# Altium PCB FINAL_PCB_VER0.PcbDoc (part 1 of 4) (continued)
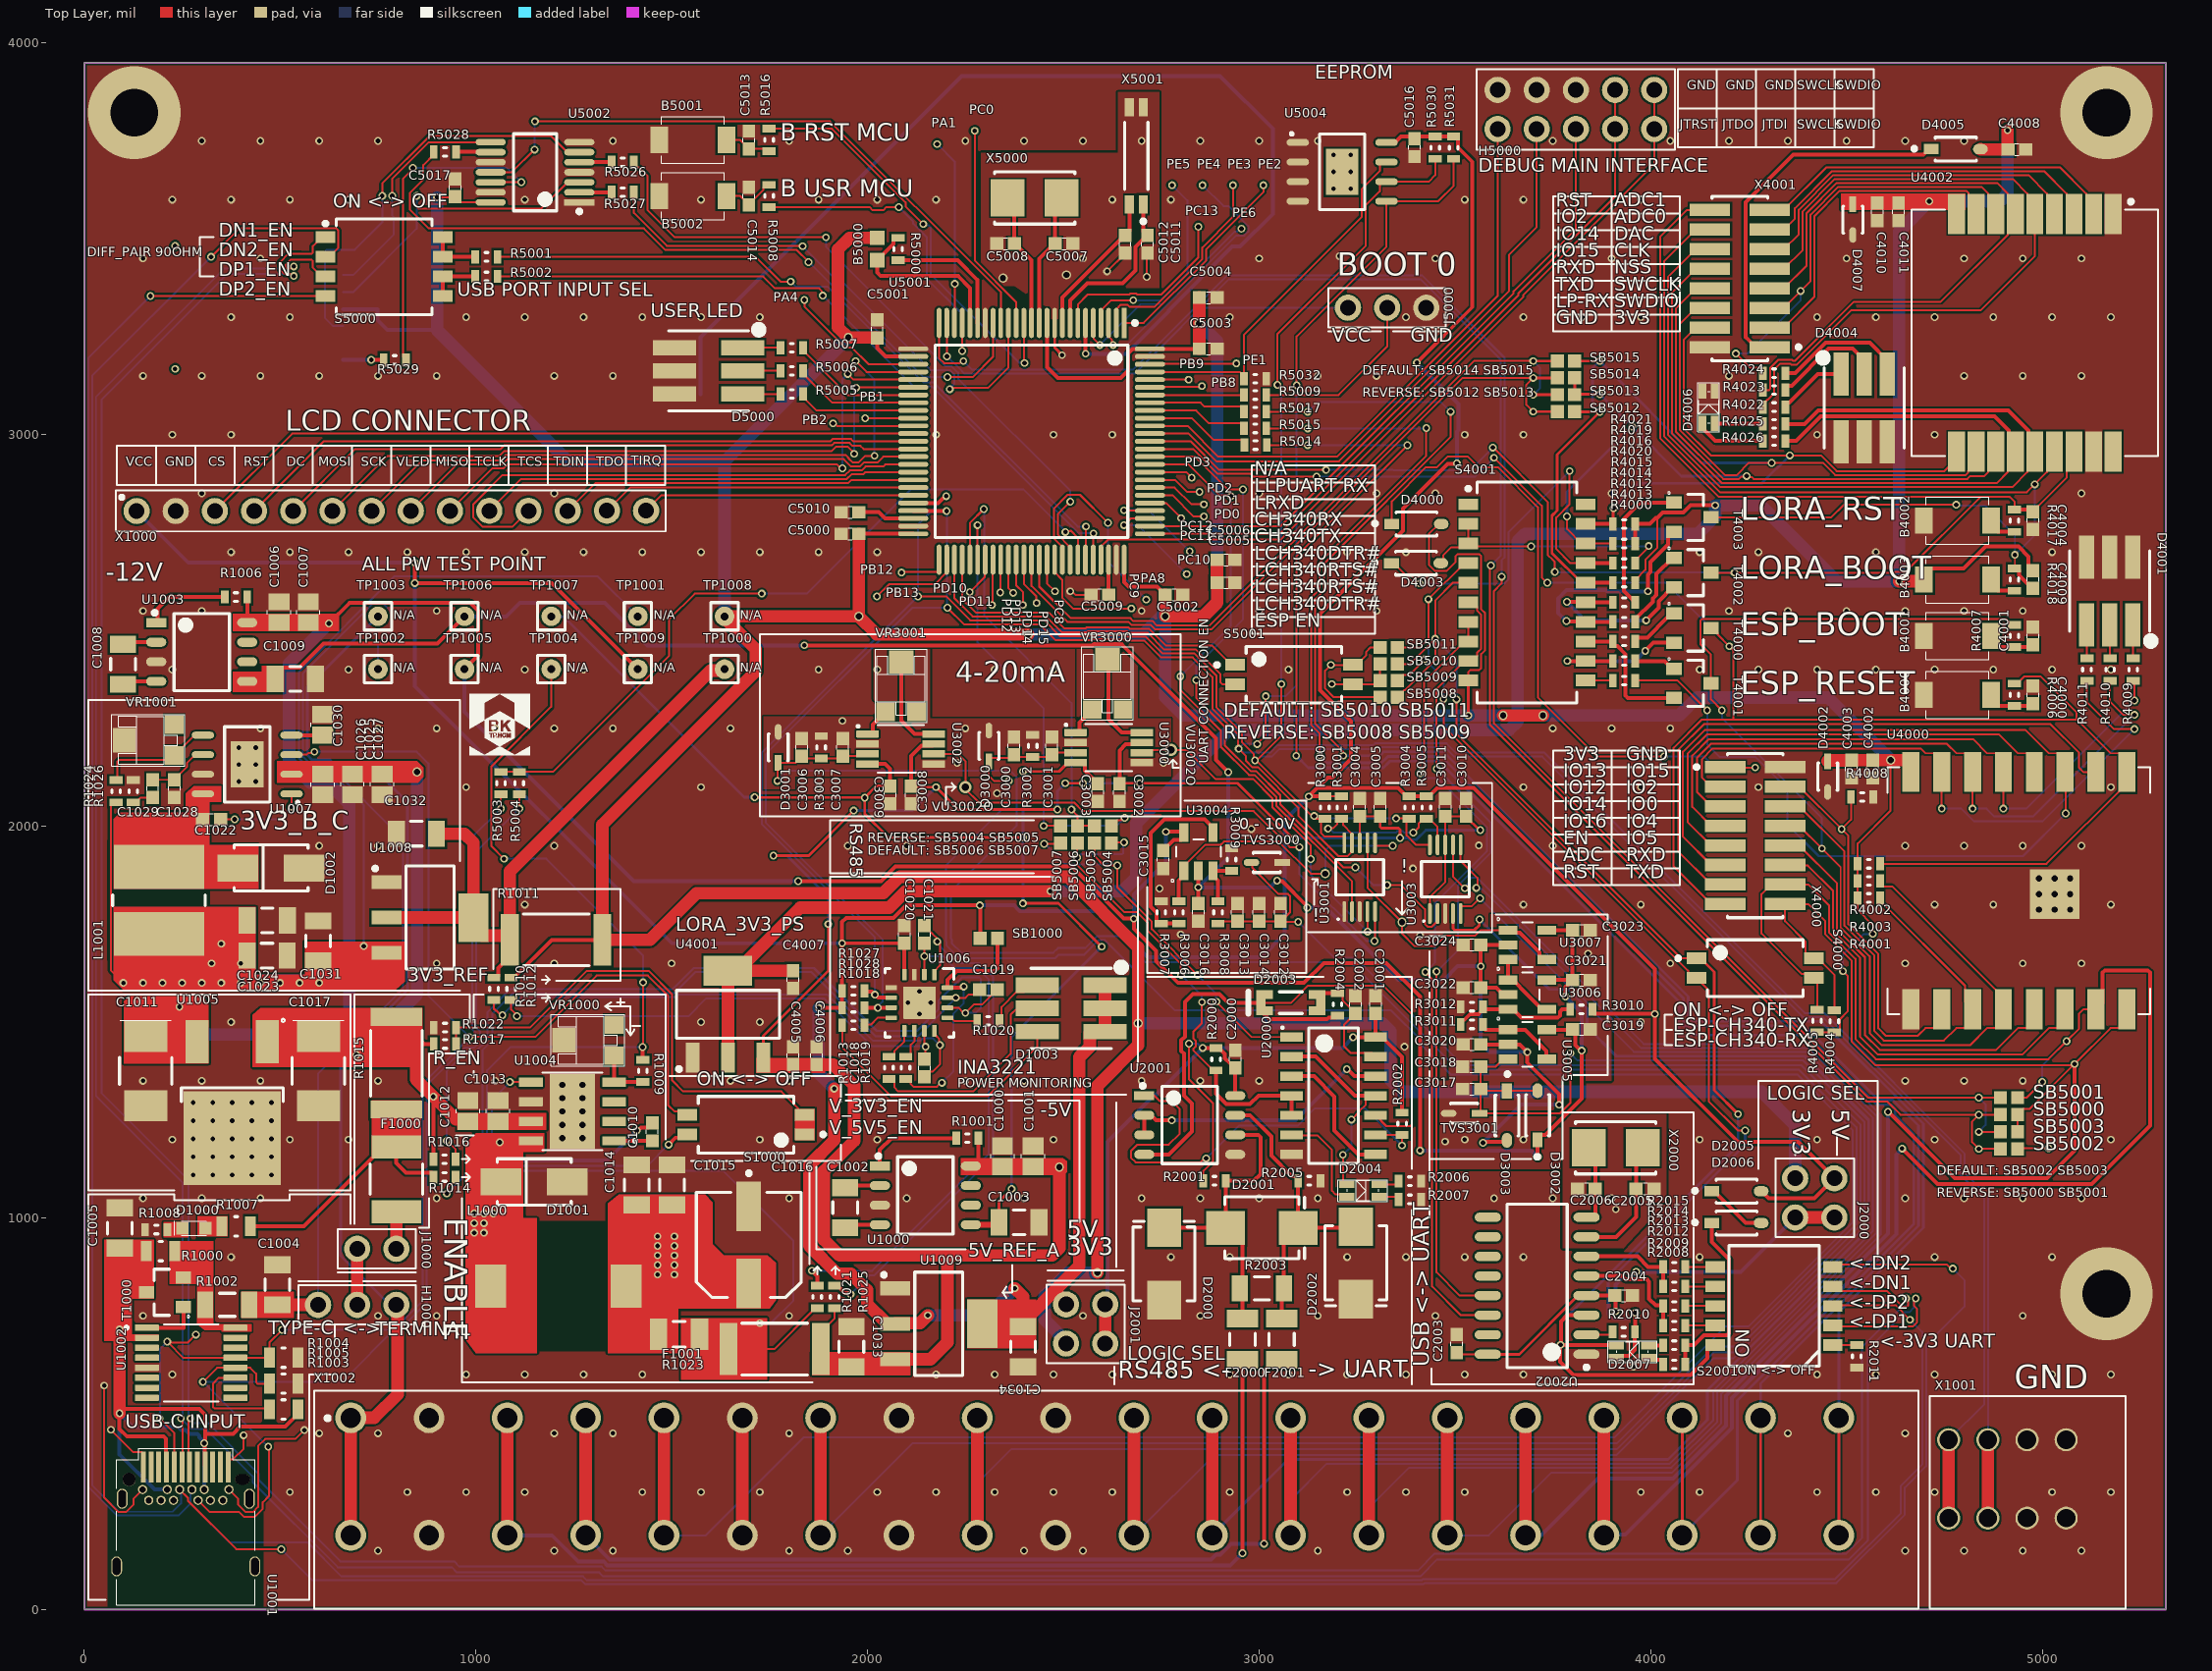
[diagram p0: Top Layer view]
## Components (designator, comment, footprint, x,y, rotation, side; value= is the part's Value field where it differs from the comment)
B4000 "TACTILE 3X4MM" "TACTILE 3X4MM" 4783.62,2335.7 r0 top value=N/A
B4001 "TACTILE 3X4MM" "TACTILE 3X4MM" 4783.62,2485.97 r180 top value=N/A
B4002 "TACTILE 3X4MM" "TACTILE 3X4MM" 4783.62,2780.27 r180 top value=N/A
B4003 "TACTILE 3X4MM" "TACTILE 3X4MM" 4783.62,2630 r180 top value=N/A
B5000 "FERRITE BEAD 600 OHM" "FERRITE BEAD 0603" 2025,3474 r270 top value="600 OHM"
B5001 "RESET BUTTON" "TACTILE 3X4MM" 1554.27,3752.5 r180 top value=N/A
B5002 "USER BUTTON" "TACTILE 3X4MM" 1554.27,3609.5 r180 top value=N/A
C1000 "4.7uF" "CAP CER 0805" 2344.79,1157.41 r90 top
C1001 "4.7uF" "CAP CER 0805" 2423,1157.41 r90 top
C1002 "47uF" "CAP CER 1206" 1943,1026.04 r270 top
C1003 "47uF" "CAP CER 1206" 2387,988.52 r0 top
C1004 "10uF" "CAP CER 1206" 493,829.21 r90 top
C1005 "1uF" "CAP CER 1206" 91,974 r90 top
C1006 "4.7uF" "CAP CER 0805" 497.31,2546.63 r90 top
C1007 "4.7uF" "CAP CER 0805" 572.2,2546.63 r90 top
C1008 "47uF" "CAP CER 1206" 99,2413.63 r270 top
C1009 "47uF" "CAP CER 1206" 539,2376.1 r0 top
C1010 "10nF" "CAP CER 0603" 1450.65,1219.47 r270 top
C1011 "10uF" "CAP TAN 2312" 157,1375 r90 top
C1012 "4.7uF" "CAP CER 0805" 979.65,1272.9 r90 top
C1013 "4.7uF" "CAP CER 0805" 1056.65,1272.9 r90 top
C1014 "47uF" "CAP CER 1206" 1411,1084 r90 top
C1015 "47uF" "CAP CER 1206" 1501,1084 r90 top
C1016 "220uF" "CAP ALUM 6377" 1697,931 r270 top
C1017 "10uF" "CAP TAN 2312" 598,1375 r90 top
C1018 "100nF" "CAP CER 0603" 2145.37,1383.31 r90 top
C1019 "100nF" "CAP CER 0603" 2308.48,1583.07 r0 top
C1020 "100nF" "CAP CER 0603" 2094.19,1723.99 r90 top
C1021 "100nF" "CAP CER 0603" 2145.37,1724 r90 top
C1022 "100nF" "CAP CER 0603" 325.13,2017.74 r0 top
C1023 "47uF" "CAP CER 1206" 467.17,1669.74 r0 top
C1024 "47uF" "CAP CER 1206" 467.34,1759.63 r0 top
C1025 "10nF" "CAP CER 0805" 685,2107 r270 top
C1026 "4.7uF" "CAP CER 0805" 609.21,2106.6 r270 top
C1027 "4.7uF" "CAP CER 0805" 761,2107 r270 top
C1028 "47pF" "CAP CER 0603" 230.13,2095.97 r270 top
C1029 "1nF" "CAP CER 0603" 174.82,2095.97 r270 top
C1030 "10nF" "CAP CER 0805" 609.21,2258.89 r90 top
C1031 "100nF" "CAP CER 1206" 597,1707.27 r90 top
C1032 "10uF" "CAP CER 1206" 848,1981 r180 top
C1033 "100nF" "CAP CER 1206" 1959,671 r90 top
C1034 "10uF" "CAP CER 1206" 2397,671 r270 top
C2000 "100nF" "CAP CER 0603" 2939.14,1405 r90 top
C2001 "100nF" "CAP CER 0603" 3297.38,1545 r90 top
C2002 "33pF" "CAP CER 0603" 3246,1545 r90 top
C2003 "100nF" "CAP CER 0603" 3505,679 r270 top
C2004 "100nF" "CAP CER 0603" 3931.15,801.61 r0 top
C2005 "22pF" "CAP CER 0603" 3985.56,1074 r0 top
C2006 "22pF" "CAP CER 0603" 3836,1074 r180 top
C3000 "0.47uF" "CAP CER 0603" 2374,2205.15 r90 top
C3001 "0.47uF" "CAP CER 0603" 2471,2205.15 r90 top
C3002 "100nF" "CAP CER 0603" 2643.86,2086 r270 top
C3003 "100nF" "CAP CER 0603" 2587.86,2086 r270 top
C3004 "100nF" "CAP CER 0603" 3257,2048 r90 top
C3005 "100nF" "CAP CER 0603" 3309,2048 r90 top
C3006 "0.47uF" "CAP CER 0603" 1832,2201.59 r90 top
C3007 "0.47uF" "CAP CER 0603" 1937,2201.59 r90 top
C3008 "100nF" "CAP CER 0603" 2111.64,2080 r270 top
C3009 "100nF" "CAP CER 0603" 2057.64,2080 r270 top
C3010 "100nF" "CAP CER 0603" 3528.38,2048 r90 top
C3011 "100nF" "CAP CER 0603" 3475.38,2048 r90 top
C3012 "4.7nF" "CAP CER 0603" 3055,1780 r270 top
C3013 "22nF" "CAP CER 0603" 2945,1780 r270 top
C3014 "100nF" "CAP CER 0603" 3000,1780 r90 top
C3015 "100nF" "CAP CER 0603" 2755,1915 r270 top
C3016 "100nF" "CAP CER 0603" 2845,1780 r270 top
C3017 "4.7nF" "CAP CER 0603" 3543,1329 r180 top
C3018 "22nF" "CAP CER 0603" 3543,1386 r180 top
C3019 "100nF" "CAP CER 0603" 3823,1481.4 r0 top
C3020 "100nF" "CAP CER 0603" 3543.29,1443 r180 top
C3021 "100nF" "CAP CER 0603" 3823,1607.4 r0 top
C3022 "100nF" "CAP CER 0603" 3543.29,1588 r180 top
C3023 "100nF" "CAP CER 0603" 3823,1734.4 r0 top
C3024 "100nF" "CAP CER 0603" 3543.29,1697 r180 top
C4000 "100nF" "CAP CER 0603" 4976,2335.7 r270 top
C4001 "100nF" "CAP CER 0603" 4976,2485.97 r90 top
C4002 "10uF" "CAP CER 0603" 4566.92,2146.4 r270 top
C4003 "100nF" "CAP CER 0603" 4512.92,2146.4 r270 top
C4004 "100nF" "CAP CER 0603" 4976,2780.27 r270 top
C4005 "10uF" "CAP CER 0603" 1810,1413.88 r90 top
C4006 "100nF" "CAP CER 0603" 1870,1413.88 r90 top
C4007 "10uF" "CAP CER 0603" 1810,1608.5 r270 top
C4008 "100nF" "CAP CER 0603" 4935,3728 r0 top
C4009 "100nF" "CAP CER 0603" 4976,2630 r90 top
C4010 "10uF" "CAP CER 0603" 4578.44,3568.82 r270 top
C4011 "100nF" "CAP CER 0603" 4633,3568.82 r270 top
C5000 "100nF" "CAP CER 0603" 1955,2746.78 r180 top
C5001 "100nF" "CAP CER 0603" 2025,3270 r90 top
C5002 "100nF" "CAP CER 0603" 2783,2591 r0 top
C5003 "100nF" "CAP CER 0603" 2870,3219.22 r0 top
C5004 "100nF" "CAP CER 0603" 2870,3350 r0 top
C5005 "100nF" "CAP CER 0603" 2915.43,2622 r0 top
C5006 "100nF" "CAP CER 0603" 2915.43,2680 r0 top
C5007 "1.5pF" "CAP CER 0603" 2501.56,3488 r0 top
C5008 "1.5pF" "CAP CER 0603" 2352.44,3488 r180 top
C5009 "2.2uF" "CAP CER 0603" 2593.13,2591 r180 top
C5010 "2.2uF" "CAP CER 0603" 1955,2802 r180 top
C5011 "3.9pF" "CAP CER 0603" 2715,3486 r270 top
C5012 "3.9pF" "CAP CER 0603" 2658,3486 r270 top
C5013 "100nF" "CAP CER 0603" 1697,3752.51 r90 top
C5014 "100nF" "CAP CER 0603" 1697,3609.5 r90 top
C5015 "100nF" "CAP CER 0603" 772,3319 r0 bottom
C5016 "100nF" "CAP CER 0603" 3397,3732.77 r270 top
C5017 "100nF" "CAP CER 0603" 947,3630 r90 top
D1000 "LED RED" "LED RED 0603" 280,973.64 r180 top value=N/A
D1001 "SS14 - 40V/1A" DO-214AC 1149,1092 r180 top value=1A
D1002 "SS14 - 40V/1A" DO-214AC 477.13,1893.48 r180 top value=1A
D1003 "LED RGB 5050" "LED RGB 5050" 2520,1535 r180 top value="5 x 5 x 1.5mm"
D2000 "SMBJ36CA" DO-214AA 2757.18,882.17 r90 top value="36V 58.1V"
D2001 "SMBJ36CA" DO-214AA 3007.18,974.68 r0 top value="36V 58.1V"
D2002 "SMBJ36CA" DO-214AA 3247.18,885 r270 top value="36V 58.1V"
D2003 "LL4148" SOD-80 3081,1549.5 r180 top value=100V/0.2A
D2004 "LED R/B 0805" "LED RB 0805" 3265,1070 r180 top value=0805
D2005 "1N4148W-E3-18" SOD-123 4218.99,1068 r0 top value="75V 150mA"
D2006 "1N4148W-E3-18" SOD-123 4218.99,987 r0 top value="75V 150mA"
D2007 "LED R/B 0805" "LED RB 0805" 3953.66,658.25 r0 top value=0805
D3000 "PSD12C" SOD-323 2310,2205.15 r90 top value="50 pF, 29.5V"
D3001 "PSD12C" SOD-323 1772,2201.59 r90 top value="50 pF, 29.5V"
D3002 "1N4148W-E3-18" SOD-123 3711,1262 r90 top value="75V 150mA"
D3003 "1N4148W-E3-18" SOD-123 3633,1261 r270 top value="75V 150mA"
D4000 "1N4148W-E3-18" SOD-123 3402,2772 r0 top value="75V 150mA"
D4001 "LED RGB 5050" "LED RGB 5050" 5172,2601 r90 top value="5 x 5 x 1.5mm"
D4002 "PSD12C" SOD-323 4451.92,2126.8 r270 top value="50 pF, 29.5V"
D4003 "1N4148W-E3-18" SOD-123 3401.01,2672 r0 top value="75V 150mA"
D4004 "LED RGB 5050" "LED RGB 5050" 4545,3068 r270 top value="5 x 5 x 1.5mm"
D4005 "1N4148W-E3-18" SOD-123 4779,3729 r0 top value="75V 150mA"
D4006 "LED R/B 0805" "LED RB 0805" 4148,3070 r270 top value=0805
D4007 "PSD12C" SOD-323 4516,3549.21 r270 top value="50 pF, 29.5V"
D5000 "LED RGB 5050" "LED RGB 5050" 1594.41,3162.91 r180 top value="5 x 5 x 1.5mm"
F1000 "MF-MSMF250/16V/2.5A" "FUSE 1812" 797,1098.68 r90 top value=16V/2.5A
F1001 "MF-NSMF200-2 6V/2A" "FUSE 1206" 1519,703 r0 top value=6V/2A
F2000 "MF-NSMF200-2 6V/2A" "FUSE 1206" 2957.5,690 r90 top value=6V/2A
F2001 "MF-NSMF200-2 6V/2A" "FUSE 1206" 3057.5,690 r90 top value=6V/2A
H1000 "3PIN JUMPER" "JUMPER 3" 697,778 r0 top value=N/A
H5000 "HEADER 5X2" "HEADER 5X2" 3809,3830.31 r180 top value=N/A
J1000 "JUMPER 2" "JUMPER 2" 747,921 r180 top value=N/A
J2000 "2X2" "JUMPER 2X2" 4469,1051.11 r90 top value=N/A
J2001 "2X2" "JUMPER 2X2" 2557,779 r180 top value=N/A
J5000 "JUMPER 3" "JUMPER 3" 3327,3324 r180 top value=N/A
L1000 "8D43-220 22uH 3.25A" "INDUCTOR 8347" 1211,826 r0 top value="22uH 3.25A"
L1001 "5D28 5832-6R8 6.8uH 1.7A" "INDUCTOR 5832" 190.74,1810.74 r270 top value=6.8uH
PA1 "VIA" VIA 2178,3742 r90 top value=N/A
PA4 "VIA" VIA 1839,3344 r90 top value=N/A
PA8 "VIA" VIA 2712,2579 r90 top value=N/A
PB1 "VIA" VIA 1994,3042 r90 top value=N/A
PB2 "VIA" VIA 1912,3029 r90 top value=N/A
PB8 "VIA" VIA 2854,3124 r0 top value=N/A
PB9 "VIA" VIA 2820,3140.48 r0 top value=N/A
PB12 "VIA" VIA 2087,2648 r90 top value=N/A
PB13 "VIA" VIA 2024,2587 r90 top value=N/A
PC0 "VIA" VIA 2274,3776 r90 top value=N/A
PC8 "VIA" VIA 2479,2600 r90 top value=N/A
PC9 "VIA" VIA 2674,2556 r90 top value=N/A
PC10 "VIA" VIA 2815,2644 r90 top value=N/A
PC11 "VIA" VIA 2823,2702 r90 top value=N/A
PC12 "VIA" VIA 2801,2787 r90 top value=N/A
PC13 "VIA" VIA 2845,3531 r90 top value=N/A
PD0 "VIA" VIA 2859,2791 r90 top value=N/A
PD1 "VIA" VIA 2859,2822 r90 top value=N/A
PD2 "VIA" VIA 2848,2854 r90 top value=N/A
PD3 "VIA" VIA 2828,2890 r90 top value=N/A
PD10 "VIA" VIA 2261,2598 r90 top value=N/A
PD11 "VIA" VIA 2318,2565 r90 top value=N/A
PD12 "VIA" VIA 2339,2597 r90 top value=N/A
PD13 "VIA" VIA 2372,2596 r90 top value=N/A
PD14 "VIA" VIA 2397,2565 r90 top value=N/A
PD15 "VIA" VIA 2432,2570 r90 top value=N/A
PE1 "VIA" VIA 2942,3182 r90 top value=N/A
PE2 "VIA" VIA 3011,3637 r90 top value=N/A
PE3 "VIA" VIA 2933.33,3637 r90 top value=N/A
PE4 "VIA" VIA 2855.67,3637 r90 top value=N/A
PE5 "VIA" VIA 2778,3637 r90 top value=N/A
PE6 "VIA" VIA 2955,3526 r90 top value=N/A
R1000 "0R" "RESC 0805(2012) SMD" 195.17,915 r0 top
R1001 "0R" "RESC 0603(1608) SMD" 2255,1203.41 r0 top
R1002 "100R" "RESC 1206(3116) SMD" 365,778 r0 top
R1003 "100KR" "RESC 0805(2012) SMD" 509,511 r0 top
R1004 "5.1KR" "RESC 0805(2012) SMD" 509,642.8 r180 top
R1005 "5.1KR" "RESC 0805(2012) SMD" 509,576.9 r180 top
R1006 "0R" "RESC 0603(1608) SMD" 387.54,2585.63 r0 top
R1007 "0R" "RESC 0805(2012) SMD" 388,978.56 r180 top
R1008 "680R" "RESC 0603(1608) SMD" 183.99,970 r180 top
R1009 "10.2KR" "RESC 0603(1608) SMD" 1426.65,1375.3 r270 top
R1010 "2.2R" "RESC 0603(1608) SMD" 1046,1585 r90 top
R1011 "0.1R" "RESC 2512 SMD" 1205,1710 r180 top
R1012 "2.2R" "RESC 0603(1608) SMD" 1090,1585 r90 top
R1013 "10KR" "RESC 0603(1608) SMD" 2097.58,1383.31 r270 top
R1014 "2.2R" "RESC 0603(1608) SMD" 920,1104 r180 top
R1015 "0.1R" "RESC 2512 SMD" 797,1395 r270 top
R1016 "2.2R" "RESC 0603(1608) SMD" 920,1150 r180 top
R1017 "47KR" "RESC 0603(1608) SMD" 921,1444 r180 top
R1018 "680R" "RESC 0603(1608) SMD" 1964,1492 r180 top
R1019 "680R" "RESC 0603(1608) SMD" 2055,1383.31 r270 top
R1020 "680R" "RESC 0603(1608) SMD" 2308.48,1503 r0 top
R1021 "2.2R" "RESC 0603(1608) SMD" 1872,798 r270 top
R1022 "10KR" "RESC 0603(1608) SMD" 921,1486 r0 top
R1023 "0.1R" "RESC 2512 SMD" 1763,665 r180 top
R1024 "10.2KR" "RESC 0603(1608) SMD" 81.13,2089.47 r90 top
R1025 "2.2R" "RESC 0603(1608) SMD" 1916,798 r270 top
R1026 "29.4KR" "RESC 0603(1608) SMD" 125.13,2089.47 r270 top
R1027 "10KR" "RESC 0603(1608) SMD" 1963.83,1579.63 r0 top
R1028 "10KR" "RESC 0603(1608) SMD" 1963.83,1536.63 r0 top
R2000 "4.7KR" "RESC 0603(1608) SMD" 2890,1405 r90 top
R2001 "4.7KR" "RESC 0603(1608) SMD" 2886.12,1095 r180 top
R2002 "4.7KR" "RESC 0603(1608) SMD" 3365,1240.39 r90 top
R2003 "120R" "RESC 1206(3116) SMD" 3007.18,820 r180 top
R2004 "22KR" "RESC 0603(1608) SMD" 3200,1545 r90 top
R2005 "4.7KR" "RESC 0603(1608) SMD" 3128.25,1095 r180 top
R2006 "2.2KR" "RESC 0603(1608) SMD" 3385,1093.92 r180 top
R2007 "2.2KR" "RESC 0603(1608) SMD" 3385,1047.36 r180 top
R2008 "1KR" "RESC 0603(1608) SMD" 4060,626 r0 top
R2009 "1KR" "RESC 0603(1608) SMD" 4060,675 r0 top
R2010 "1KR" "RESC 0603(1608) SMD" 3931.15,709 r180 top
R2011 "10KR" "RESC 0603(1608) SMD" 4526,646.46 r90 top
R2012 "47R" "RESC 0603(1608) SMD" 4060,725 r180 top
R2013 "47R" "RESC 0603(1608) SMD" 4060,775 r180 top
R2014 "47R" "RESC 0603(1608) SMD" 4060,825 r180 top
R2015 "47R" "RESC 0603(1608) SMD" 4060,875 r180 top
R3000 "10KR" "RESC 0603(1608) SMD" 3168,2048 r90 top
R3001 "10KR" "RESC 0603(1608) SMD" 3210,2048 r90 top
R3002 "1R" "RESC 0603(1608) SMD" 2422,2205.15 r90 top
R3003 "1R" "RESC 0603(1608) SMD" 1882,2201.59 r90 top
R3004 "10KR" "RESC 0603(1608) SMD" 3383.38,2048 r90 top
R3005 "10KR" "RESC 0603(1608) SMD" 3427.38,2048 r90 top
R3006 "100KR" "RESC 0603(1608) SMD" 2795,1780 r90 top
R3007 "200KR" "RESC 0603(1608) SMD" 2750,1780 r270 top
R3008 "200KR" "RESC 0603(1608) SMD" 2895,1780 r90 top
R3009 "100KR" "RESC 0603(1608) SMD" 2930,1915 r270 top
R3010 "100KR" "RESC 0603(1608) SMD" 3823,1532.6 r180 top
R3011 "200KR" "RESC 0603(1608) SMD" 3543.29,1494 r180 top
R3012 "200KR" "RESC 0603(1608) SMD" 3543.29,1539 r0 top
R4000 "4.7KR" "RESC 0603(1608) SMD" 3932,2372 r180 top
R4001 "10KR" "RESC 0603(1608) SMD" 4557,1817 r180 top
R4002 "10KR" "RESC 0603(1608) SMD" 4557,1904 r180 top
R4003 "10KR" "RESC 0603(1608) SMD" 4557,1860.5 r180 top
R4004 "4.7KR" "RESC 0603(1608) SMD" 4469,1502 r270 top
R4005 "4.7KR" "RESC 0603(1608) SMD" 4425,1503 r270 top
R4006 "22R" "RESC 0603(1608) SMD" 4929,2335.7 r90 top
R4007 "22R" "RESC 0603(1608) SMD" 4929,2485.97 r270 top
R4008 "10KR" "RESC 0603(1608) SMD" 4540,2075 r180 top
R4009 "470R" "RESC 0603(1608) SMD" 5232.06,2399.98 r270 top
R4010 "470R" "RESC 0603(1608) SMD" 5173,2399.98 r270 top
R4011 "470R" "RESC 0603(1608) SMD" 5113.94,2399.98 r270 top
R4012 "10KR" "RESC 0603(1608) SMD" 3932,2472 r0 top
R4013 "10KR" "RESC 0603(1608) SMD" 3932,2422 r0 top
R4014 "10KR" "RESC 0603(1608) SMD" 3932,2522 r0 top
R4015 "10KR" "RESC 0603(1608) SMD" 3932,2572 r0 top
R4016 "0R" "RESC 0603(1608) SMD" 3932,2672 r0 top
R4017 "22R" "RESC 0603(1608) SMD" 4929,2780.27 r270 top
R4018 "22R" "RESC 0603(1608) SMD" 4929,2630 r270 top
R4019 "4.7KR" "RESC 0603(1608) SMD" 3932,2722 r0 top
R4020 "4.7KR" "RESC 0603(1608) SMD" 3932,2622 r0 top
R4021 "4.7KR" "RESC 0603(1608) SMD" 3932,2772 r0 top
R4022 "470R" "RESC 0603(1608) SMD" 4315,3070.5 r180 top
R4023 "470R" "RESC 0603(1608) SMD" 4315,3113.75 r180 top
R4024 "470R" "RESC 0603(1608) SMD" 4315,3157 r180 top
R4025 "470R" "RESC 0603(1608) SMD" 4315,3027.25 r180 top
R4026 "470R" "RESC 0603(1608) SMD" 4315,2984 r180 top
R5000 "0R" "RESC 0603(1608) SMD" 2078,3474 r270 top
R5001 "20R" "RESC 0603(1608) SMD" 1027,3454 r0 top
R5002 "20R" "RESC 0603(1608) SMD" 1027,3404 r0 top
R5003 "0R" "RESC 0603(1608) SMD" 1064,2110.25 r270 top
R5004 "0R" "RESC 0603(1608) SMD" 1111,2110.25 r270 top
R5005 "680R" "RESC 0603(1608) SMD" 1806.85,3103.85 r180 top
R5006 "680R" "RESC 0603(1608) SMD" 1806.85,3162.91 r0 top
R5007 "680R" "RESC 0603(1608) SMD" 1806.85,3221.96 r0 top
R5008 "20R" "RESC 0603(1608) SMD" 1749,3609.5 r90 top
R5009 "4.7KR" "RESC 0603(1608) SMD" 2990,3101.11 r180 top
R5014 "20R" "RESC 0603(1608) SMD" 2991,2973.24 r0 top
R5015 "20R" "RESC 0603(1608) SMD" 2990,3015.87 r0 top
R5016 "4.7KR" "RESC 0603(1608) SMD" 1749,3752.51 r90 top
R5017 "20R" "RESC 0603(1608) SMD" 2990,3058.49 r0 top
R5026 "3.3KR" "RESC 0603(1608) SMD" 1375.06,3619.05 r180 top
R5027 "3.3KR" "RESC 0603(1608) SMD" 1375.06,3695.83 r180 top
R5028 "3.3KR" "RESC 0603(1608) SMD" 921,3722 r0 top
R5029 "3.3KR" "RESC 0603(1608) SMD" 793,3190.82 r0 top
R5030 "4.7KR" "RESC 0603(1608) SMD" 3450,3732.77 r270 top
R5031 "4.7KR" "RESC 0603(1608) SMD" 3496.7,3732.77 r270 top
R5032 "4.7KR" "RESC 0603(1608) SMD" 2990,3143 r0 top
S1000 "DIP-2" "DIP-2 SWITCH" 1690,1238 r180 top value=N/A
S2001 "DIP-5" "DIP-5 SWITCH" 4315,775 r90 top value=N/A
S4000 "DIP-2" "DIP-2 SWITCH" 4266.87,1637.7 r0 top value=N/A
S4001 "DIP-10" "DIP-10 SWITCH" 3684,2597 r270 top value=N/A
S5000 "DIP-4" "DIP-4 SWITCH" 766,3429 r270 top value=N/A
S5001 "DIP-2" "DIP-2 SWITCH" 3089.14,2387.15 r0 top value=N/A
SB1000 "SB" SB 2310,1714 r180 top value=0R
SB5000 "SB" SB 4915,1263.36 r180 top value=0R
SB5001 "SB" SB 4915,1307 r180 top value=0R
SB5002 "SB" SB 4915,1176.09 r180 top value=0R
SB5003 "SB" SB 4915,1219.73 r180 top value=0R
SB5004 "SB" SB 2623,1979 r270 top value=0R
SB5005 "SB" SB 2579.67,1979 r270 top value=0R
SB5006 "SB" SB 2536.33,1979 r270 top value=0R
SB5007 "SB" SB 2493,1979 r270 top value=0R
SB5008 "SB" SB 3331,2329.66 r180 top value=0R
SB5009 "SB" SB 3331,2372 r180 top value=0R
SB5010 "SB" SB 3331,2414.33 r180 top value=0R
SB5011 "SB" SB 3331,2456.66 r180 top value=0R
SB5012 "SB" SB 3784,3059 r180 top value=0R
SB5013 "SB" SB 3784,3102 r180 top value=0R
SB5014 "SB" SB 3784,3145 r180 top value=0R
SB5015 "SB" SB 3784,3188 r180 top value=0R
T1000 "LN2302LT1G" SOT23-3 206,810 r180 top value=20V-2.8A-N
T4000 "BJT N-MODE" SOT23-3 4106.76,2506.33 r0 top value=N/A
T4001 "BJT N-MODE" SOT23-3 4106.76,2365 r0 top value=N/A
T4002 "BJT N-MODE" SOT23-3 4106.76,2647.67 r0 top value=N/A
T4003 "BJT N-MODE" SOT23-3 4106.76,2789 r0 top value=N/A
TP1000 "N/A" "TEST POINT" 1635,2401.05 r0 top
TP1001 "N/A" "TEST POINT" 1413.75,2536.05 r0 top
TP1002 "N/A" "TEST POINT" 750,2401.05 r0 top
TP1003 "N/A" "TEST POINT" 750,2536.05 r0 top
TP1004 "N/A" "TEST POINT" 1192.5,2401.05 r0 top
TP1005 "N/A" "TEST POINT" 971.25,2401.05 r0 top
TP1006 "N/A" "TEST POINT" 971.25,2536.05 r0 top
TP1007 "N/A" "TEST POINT" 1192.5,2536.05 r0 top
TP1008 "N/A" "TEST POINT" 1635,2536.05 r0 top
TP1009 "N/A" "TEST POINT" 1413.75,2401.05 r0 top
TVS3000 "PSD12C" SOD-323 3020,1907.48 r180 top value="50 pF, 29.5V"
TVS3001 "PSD12C" SOD-323 3523.4,1267 r180 top value="50 pF, 29.5V"
U1000 "ICL7662CBA" SOP-8 2147.86,1057.41 r0 top
U1001 "3.1-C" "USB TYPE C FEMALE" 259.31,109.95 r0 top value=N/A
U1002 "IP2721" TSSOP-16 273,630 r0 top
U1003 "ICL7662CBA" SOP-8 300,2445 r0 top
U1004 "TPS5430DDA" "SO POWERPAD" 1246.65,1271.76 r180 top
U1005 "LD1086DT12" DPAK 378,1294.39 r180 top
U1006 "INA3221" VQFN-16 2132.58,1549.42 r270 top
U1007 "TPS54331DR" SOIC-8 416.13,2157.74 r180 top
U1008 "LD1117S33CTR" SOT-223 883,1767 r270 top
U1009 "AMS1117-5.0V" SOT-223 2182,729.45 r270 top
U2000 "74HC14D" SOIC-14 3190.1,1311.85 r0 top
U2001 "MAX3485" SOP-8 2823,1237 r0 top
U2002 "CH340G" SOP-16 3710,826.61 r180 top
U3000 "INA333AIDR" VSSOP-8 2616,2201 r0 top
U3001 "ADS1115" VSSOP-10 3257,1870 r90 top
U3002 "INA333AIDR" VSSOP-8 2085,2197.44 r0 top
U3003 "ADS1115" VSSOP-10 3475.38,1865 r90 top
U3004 "OPA333AIDVR" SOT23-5 2845,1935 r90 top
U3005 "OPA333AIDVR" SOT23-5 3685,1443 r0 top
U3006 "OPA333AIDVR" SOT23-5 3685,1570 r0 top
U3007 "OPA333AIDVR" SOT23-5 3685,1697 r0 top
U4000 "ESP-07S" ESP-07S 4940.03,1835.55 r270 top
U4001 "LD1117S33CTR" SOT-223 1643.75,1520 r0 top
U4002 "RA-08H" RA-08H 4981,3260 r270 top
U5000 "BS-6" BS-6 1574,2540.99 r270 bottom value=N/A
U5001 "STM32H743VIT6" LQFP-100-A 2419,2983 r270 top
U5002 "74LVC125APW" TSSOP-14 1151,3670.05 r180 top
U5003 "MiSD-PP-9P-V2" MiSD-PP-9P-V2 232.08,3362.08 r90 bottom value=N/A
U5004 "24LC512" SOIC-8 3212.09,3671 r0 top
VR1000 "10KR" "VARIABLE RESISTOR" 1289.96,1453.76 r90 top
VR1001 "10KR" "VARIABLE RESISTOR" 167.13,2220 r90 top
VR3000 "1KR" "VARIABLE RESISTOR" 2613,2361 r0 top
VR3001 "1KR" "VARIABLE RESISTOR" 2086,2355.13 r0 top
X1000 "240x320 HMI ILI9341" "LCD TFT320X240" 733.67,2804.98 r0 top value=N/A
X1001 "KF141-2.54-4-R" "TERMINAL BLOCK 4 2.54MM" 4910.92,333.5 r0 top value=N/A
X1002 "KF142-5.08-20-R" "TERMINAL BLOCK 20 5.08MM" 2580.47,389.5 r0 top value=N/A
X2000 "CRYSTAL 12MHz" "CRYSTAL 5032 2PIN" 3910.56,1179 r180 top value=12MHz
X4000 "BOARD CONNECTOR 16 1.27MM" "BOARD CONNECTOR 16 1.27MM" 4266.87,1976.17 r270 top value=N/A
X4001 "BOARD CONNECTOR 16 1.27MM" "BOARD CONNECTOR 16 1.27MM" 4227.62,3398.58 r90 top value=N/A
X5000 "CRYSTAL 25MHz 2PIN" "CRYSTAL 5032 2PIN" 2427,3604.68 r180 top value=25MHz
X5001 "32.768KHz CRYSTAL 4PIN 7015" "CRYSTAL 32.768KHZ 7015" 2686.72,3712.02 r90 top value=N/A

## Footprints (in the part's own frame and the unit in brackets; to place one, negate y for a bottom-side part, rotate by r counter-clockwise, add the part's x,y. Pads: shape width x height; smd on the part's side, far side on the other; paste and mask are expansions set on the pad)
"BOARD CONNECTOR 16 1.27MM" [mm]
  rect 0.8x2.62 smd paste+0 mask+0: 1(-4.445,-1.94) 2(-4.445,1.94) 3(-3.175,-1.94) 4(-3.175,1.94) 5(-1.905,-1.94) 6(-1.905,1.94) 7(-0.635,-1.94) 8(-0.635,1.94) 9(0.635,-1.94) 10(0.635,1.94) 11(1.905,-1.94) 12(1.905,1.94) 13(3.175,-1.94) 14(3.175,1.94) 15(4.445,-1.94) 16(4.445,1.94)
  silkscreen extent -5.33,-3.93 5.33,1.8, body extent -5.43,-3.35 5.43,3.35, height 0.25
BS-6 [mm]
  rect 4.2x4.2 smd paste+0: 1(14.275,0) 2(-14.275,0)
  silkscreen extent -17.6,-8.25 14.55,8.25, body extent -15.93,-8 15.93,8, height 5.7
"CAP ALUM 6377" [mm]
  rect 3.2x1.6 smd paste+0: 1(-2.5,0) 2(2.5,0)
  silkscreen extent -4.77,-3.4 3.4,3.4, body extent -4.35,-3.65 4.35,3.65, height 0.25
"CAP CER 0603" [mil] "cap 0603 smd"
  rect 33.79x31.97 smd paste+0: 1(-22.72,0) 2(22.72,0)
  silkscreen extent -5,-15 5,15, body extent -31,-16 31,16, height 34
"CAP CER 0805" [mm] "cap 0805smd"
  rect 1.1x1.356 smd paste+0 mask+0.05: 1(-0.67,0) 2(0.67,0)
  silkscreen extent -0.13,-0.76 0.13,0.76, body extent -1,-0.63 1,0.63, height 0.94
"CAP CER 1206" [mil]
  rect 43.49x67.17 smd paste+0: 1(-51.21,0) 2(51.21,0)
  silkscreen extent -15,-31 15,31, body extent -77,-39 77,39, height 10
"CAP TAN 2312" [mm]
  rect 2x2.8 smd paste+0: 1(-2.25,0) 2(2.25,0)
  silkscreen extent -0.87,-1.7 3.3,1.7, body extent -3.35,-1.8 3.35,1.8, height 0.25
"CRYSTAL 32.768KHZ 7015" [mm]
  rect 1.2x0.6 smd paste+0 mask+0.05: 1(-3.15,-0.45) 2(3.15,-0.45) 3(3.15,0.45) 4(-3.15,0.45)
  silkscreen extent -4.37,-0.75 2.18,0.75, body extent -3.85,-0.85 3.85,0.85, height 0.25
"CRYSTAL 5032 2PIN" [mm]
  rect 2.2x2.4 smd paste+0: 1(-1.75,0) 2(1.75,0)
  silkscreen extent -2.6,-1.7 2.6,1.7, body extent -3.1,-1.8 3.1,1.8, height 0.25
"DIP-2 SWITCH" [mm]
  rect 1.27x0.76 smd paste+0 mask+0: 1(-3.81,0.635) 2(-3.81,-0.635) 3(3.81,-0.635) 4(3.81,0.635)
  silkscreen extent -5.13,-1.83 3.1,1.83, body extent -4.54,-1.93 4.54,1.93, height 0.25
"DIP-4 SWITCH" [mm]
  rect 0.76x1.27 smd paste+0: 1(-1.905,-3.81) 2(-0.635,-3.81) 3(0.635,-3.81) 4(1.905,-3.81) 5(1.905,3.81) 6(0.635,3.81) 7(-0.635,3.81) 8(-1.905,3.81)
  silkscreen extent -3.1,-3.93 3.1,3.1, body extent -3.2,-4.54 3.2,4.54, height 0.25
"DIP-5 SWITCH" [mm]
  rect 0.76x1.27 smd: 1(-2.54,-3.81) 2(-1.27,-3.81) 3(0,-3.81) 4(1.27,-3.81) 5(2.54,-3.81) 6(2.54,3.81) 7(1.27,3.81) 8(0,3.81) 9(-1.27,3.81) 10(-2.54,3.81)
  silkscreen extent -3.91,-2.93 3.91,2.93, body extent -3.76,-4.22 3.76,4.22, height 2.65
"DIP-10 SWITCH" [mm]
  rect 0.76x1.27 smd paste+0: 1(-5.715,-3.795) 2(-4.445,-3.795) 3(-3.175,-3.795) 4(-1.905,-3.795) 5(-0.635,-3.795) 6(0.635,-3.795) 7(1.905,-3.795) 8(3.175,-3.795) 9(4.445,-3.795) 10(5.715,-3.795) 11(5.715,3.795) 12(4.445,3.795) 13(3.175,3.795) 14(1.905,3.795) 15(0.635,3.795) 16(-0.635,3.795) 17(-1.905,3.795) 18(-3.175,3.795) 19(-4.445,3.795) 20(-5.715,3.795)
  silkscreen extent -7.17,-3.93 7.17,3.22, body extent -7.26,-4.53 7.26,4.53, height 0.25
DO-214AA [mm] "Molded Diode, 2-Leads, Body 4.40x3.63mm, IPC Medium Density"
  rect 2.5x2.2 smd: 1(-2.35,0) 2(2.35,0)
  silkscreen extent -2.4,-2 2.77,2, body extent -2.6,-1.97 2.6,1.97, height 2.65
DO-214AC [mm] "Molded Diode, 2-Leads, Body 4.38x2.73mm, IPC Medium Density"
  rect 2.65x1.75 smd: 1(-2.15,0) 2(2.15,0)
  silkscreen extent -2.4,-1.5 2.4,1.5, body extent -2.6,-1.48 2.6,1.48, height 2.7
DPAK [mm]
  rect 1.5x2.8 smd: 1(-2.286,-3.95) 3(2.286,-3.95)
  rect 6.3x6.1 smd: 4(0,2.3)
  silkscreen extent -3.4,-5.43 3.3,-0.06, body extent -3.3,-3.77 3.3,5.95, height 2.4
ESP-07S [mm]
  rect 2.6x1.1 smd: 1(-7.7,7) 2(-7.7,5) 3(-7.7,3) 4(-7.7,1) 5(-7.7,-1) 6(-7.7,-3) 7(-7.7,-5) 8(-7.7,-7) 9(7.7,-7) 10(7.7,-5) 11(7.7,-3) 12(7.7,-1) 13(7.7,1) 14(7.7,3) 15(7.7,5) 16(7.7,7)
  round 0.6 hole 0.4: 9(-0.796,3.333) 9(-0.796,2.317) 9(-0.796,1.301) 9(0.22,3.333) 9(0.22,2.317) 9(0.22,1.301) 9(1.236,3.333) 9(1.236,2.317) 9(1.236,1.301)
  rect 3.2x3.2 smd: 9(0.22,2.317)
  silkscreen extent -8,-8.51 8,8.51, body extent -8,-8.51 8,8.49, height 3.28
"FERRITE BEAD 0603" [mm] "Chip FB 0603"
  rect 0.95x0.95 smd: 1(-0.725,0) 2(0.725,0)
  body extent -0.8,-0.4 0.8,0.4, height 0.47
"FUSE 1206" [mil]
  rect 45x80 smd paste+0 mask+0: 1(-52.5,0) 2(52.5,0)
  silkscreen extent -15,-32 15,32, body extent -69,-36 69,36, height 20
"FUSE 1812" [mm]
  rect 1.5x3.2 smd paste+0 mask+0: 1(-2.1,0) 2(2.1,0)
  silkscreen extent -0.97,-1.71 0.98,1.71, body extent -2.95,-1.81 2.95,1.81, height 0.25
"HEADER 5X2" [mm]
  round 1.7 hole 1.02: 1(-5.08,1.27) 2(-5.08,-1.27) 3(-2.54,1.27) 4(-2.54,-1.27) 5(0,1.27) 6(0,-1.27) 7(2.54,1.27) 8(2.54,-1.27) 9(5.08,1.27) 10(5.08,-1.27)
  silkscreen extent -6.43,-2.62 6.43,2.62, body extent -6.35,-2.54 6.35,2.54, height 7
"INDUCTOR 5832" [mm] "Precision Wire Wound Inductor, 2-Leads, Body 5.70x5.70mm, IPC Medium Density"
  rect 2.85x5.85 smd: 1(-2.175,0) 2(2.175,0)
  Multi-Layer pour cut-out: -3.912,3.302 3.886,3.302 3.886,-3.353 -3.912,-3.353
  silkscreen extent -0.35,-3 0.35,3, body extent -2.95,-2.85 2.95,2.85, height 3.1
"INDUCTOR 8347" [mm]
  rect 2x2.8 smd: 1(-4.4,0) 2(4.4,0)
  Multi-Layer pour cut-out: -4.216,4.216 4.216,4.216 4.216,-4.216 -4.216,-4.216
  body extent -4.35,-4.15 4.35,4.15, height 4.7
"JUMPER 2" [mm]
  round 1.7 hole 1.02: 1(-1.27,0) 2(1.27,0)
  silkscreen extent -2.54,-1.27 2.54,1.52, body extent -2.54,-1.27 2.54,1.27, height 7.63
"JUMPER 2X2" [mm]
  round 1.7 hole 1.02: 1(-1.27,2.54) 2(1.27,2.54) 3(-1.27,0) 4(1.27,0)
  silkscreen extent -2.54,-1.27 2.54,3.81, body extent -2.54,-1.27 2.54,3.81, height 7.63
"JUMPER 3" [mm]
  round 1.7 hole 1.02: 1(-2.54,0) 2(0,0) 3(2.54,0)
  silkscreen extent -3.81,-1.27 3.81,1.52, body extent -3.81,-1.27 3.81,1.27, height 7.63
"LCD TFT320X240" [mm]
  round 1.7 hole 1.02: 1(-15.24,0) 2(-12.7,0) 3(-10.16,0) 4(-7.62,0) 5(-5.08,0) 6(-2.53,0.007) 7(0.01,0.007) 8(2.55,0.007) 9(5.09,0.007) 10(7.639,0.015) 11(10.179,0.015) 12(12.719,0.015) 13(15.269,0.022) 14(17.809,0.022)
  silkscreen extent -16.59,-1.32 19.08,1.35, body extent -16.51,-1.27 19.08,1.29, height 7
"LED RB 0805" [mm]
  rect 1x0.5 smd mask+0.05: 1(-1.05,0.4) 2(1.05,0.4) 3(-1.05,-0.4) 4(1.05,-0.4)
  silkscreen extent -1.6,-0.7 1.6,0.7, body extent -1,-0.62 1,0.63, height 1.21
"LED RED 0603" [mm]
  rect 0.8x0.8 smd paste+0 mask+0: 1(-0.75,0) 2(0.75,0)
  silkscreen extent -0.8,-0.46 1.24,0.46, body extent -1.25,-0.5 1.25,0.5, height 0.25
"LED RGB 5050" [mm] "SMT Full-color TOP LED Waterclear, body 5x5mm"
  rect 2.8x1 smd: 1(-2.2,-1.5) 2(2.2,-1.5) 3(-2.2,0) 4(2.2,0) 5(-2.2,1.5) 6(2.2,1.5)
  silkscreen extent -3.51,-2.92 2.6,2.6, body extent -2.5,-2.7 2.5,2.7, height 1.5
LQFP-100-A [mm]
  rect 1.955x0.312 smd paste+0 mask+0: 1(-7.675,6)
  rrect100% 1.955x0.312 smd paste+0 mask+0: 2(-7.675,5.5) 3(-7.675,5) 4(-7.675,4.5) 5(-7.675,4) 6(-7.675,3.5) 7(-7.675,3) 8(-7.675,2.5) 9(-7.675,2) 10(-7.675,1.5) 11(-7.675,1) 12(-7.675,0.5) 13(-7.675,0) 14(-7.675,-0.5) 15(-7.675,-1) 16(-7.675,-1.5) 17(-7.675,-2) 18(-7.675,-2.5) 19(-7.675,-3) 20(-7.675,-3.5) 21(-7.675,-4) 22(-7.675,-4.5) 23(-7.675,-5) 24(-7.675,-5.5) 25(-7.675,-6) 51(7.675,-6) 52(7.675,-5.5) 53(7.675,-5) 54(7.675,-4.5) 55(7.675,-4) 56(7.675,-3.5) 57(7.675,-3) 58(7.675,-2.5) 59(7.675,-2) 60(7.675,-1.5) 61(7.675,-1) 62(7.675,-0.5) 63(7.675,0) 64(7.675,0.5) 65(7.675,1) 66(7.675,1.5) 67(7.675,2) 68(7.675,2.5) 69(7.675,3) 70(7.675,3.5) 71(7.675,4) 72(7.675,4.5) 73(7.675,5) 74(7.675,5.5) 75(7.675,6)
  rrect100% 0.312x1.955 smd paste+0 mask+0: 26(-6,-7.675) 27(-5.5,-7.675) 28(-5,-7.675) 29(-4.5,-7.675) 30(-4,-7.675) 31(-3.5,-7.675) 32(-3,-7.675) 33(-2.5,-7.675) 34(-2,-7.675) 35(-1.5,-7.675) 36(-1,-7.675) 37(-0.5,-7.675) 38(0,-7.675) 39(0.5,-7.675) 40(1,-7.675) 41(1.5,-7.675) 42(2,-7.675) 43(2.5,-7.675) 44(3,-7.675) 45(3.5,-7.675) 46(4,-7.675) 47(4.5,-7.675) 48(5,-7.675) 49(5.5,-7.675) 50(6,-7.675) 76(6,7.675) 77(5.5,7.675) 78(5,7.675) 79(4.5,7.675) 80(4,7.675) 81(3.5,7.675) 82(3,7.675) 83(2.5,7.675) 84(2,7.675) 85(1.5,7.675) 86(1,7.675) 87(0.5,7.675) 88(0,7.675) 89(-0.5,7.675) 90(-1,7.675) 91(-1.5,7.675) 92(-2,7.675) 93(-2.5,7.675) 94(-3,7.675) 95(-3.5,7.675) 96(-4,7.675) 97(-4.5,7.675) 98(-5,7.675) 99(-5.5,7.675) 100(-6,7.675)
  silkscreen extent -7.8,-6.25 6.25,6.84, body extent -9.15,-9.15 9.15,9.15, height 0.25
MiSD-PP-9P-V2 [mm] "SD CARD"
  rect 0.7x2 smd mask+0.05: 1(2.25,10.9) 2(1.15,10.9) 3(0.05,10.9) 4(-1.05,10.9) 5(-2.15,10.9) 6(-3.25,10.9) 7(-4.35,10.9) 8(-5.45,10.9) CD(-6.55,10.9)
  rect 1.2x1.4 smd mask+0.05: G(-7.75,9.7)
  rect 1.2x2.2 smd mask+0.05: G(-7.7,0.5) G(7.7,0.5)
  rect 1.6x1.4 smd mask+0.05: G(6.85,9.7)
  silkscreen extent -8.41,-5.71 8.43,12.07
RA-08H [mm]
  rect 2.6x1.1 smd mask+0.05: 1(-7.7,5.08) 2(-7.7,3.81) 3(-7.7,2.54) 4(-7.7,1.27) 5(-7.7,0) 6(-7.7,-1.27) 7(-7.7,-2.54) 8(-7.7,-3.81) 9(-7.7,-5.08) 10(7.7,-5.08) 11(7.7,-3.81) 12(7.7,-2.54) 13(7.7,-1.27) 14(7.7,0) 15(7.7,1.27) 16(7.7,2.54) 17(7.7,3.81) 18(7.7,5.08)
  silkscreen extent -8.64,-8 8,8, body extent -8,-8 8,8, height 3.03
"RESC 0603(1608) SMD" [mm] "Chip Resistor 0603"
  rect 0.5x0.85 smd mask+0.05: 1(-0.725,0) 2(0.725,0)
  silkscreen extent -0.1,-0.28 0.1,0.28, body extent -0.8,-0.4 0.8,0.4, height 0.47
"RESC 0805(2012) SMD" [mm] "Chip Resistor 0805 SMD"
  rect 0.7x1.3 smd paste+0 mask+0.05: 1(-0.925,0) 2(0.925,0)
  silkscreen extent -0.1,-0.63 0.1,0.63, body extent -1,-0.63 1,0.63, height 0.43
"RESC 1206(3116) SMD" [mm] "Chip Resistor 1206"
  rect 1.05x1.7 smd paste+0 mask+0.05: 1(-1.425,0) 2(1.425,0)
  silkscreen extent -0.5,-0.75 0.5,0.75, body extent -1.55,-0.8 1.55,0.8, height 0.55
"RESC 2512 SMD" [mil] "Chip Resistor 2512 SMD"
  rect 45.6x132.21 smd paste+0: 1(-118.19,0) 2(118.19,0)
  silkscreen extent -84,-66 84,66, body extent -126,-63 126,63, height 24
SB [mm]
  rect 0.85x0.85 smd mask+0.05: 1(-0.559,0) 2(0.559,0)
  body extent -0.8,-0.4 0.8,0.4, height 0.47
"SO POWERPAD" [mm]
  rrect5% 1.55x0.6 smd mask+0: 1(-2.7,1.905) 2(-2.7,0.635) 3(-2.7,-0.635) 4(-2.7,-1.905) 5(2.7,-1.905) 6(2.7,-0.635) 7(2.7,0.635) 8(2.7,1.905)
  round 0.6 hole 0.4 paste+0: 9(-0.65,1.726) 9(-0.65,0.863) 9(-0.65,0) 9(-0.65,-0.863) 9(-0.65,-1.726) 9(0.65,1.726) 9(0.65,0.863) 9(0.65,0) 9(0.65,-0.863) 9(0.65,-1.726)
  rect 2.95x4.9 smd: 9(0,0)
  silkscreen extent -4.17,-2.53 1.95,2.53, body extent -3,-2.45 3,2.45, height 1.7
SOD-80 [mm] "SOD, 2-Leads, Body 3.45x1.4mm"
  rect 0.6x1.65 smd: 1(-1.95,0) 2(1.95,0)
  rect 1.1x0.575 smd: 1(-1.7,-0.538) 1(-1.7,0.538) 2(1.7,-0.538) 2(1.7,0.538)
  silkscreen extent -0.75,-0.7 2.75,0.7, body extent -1.73,-0.69 1.73,0.69, height 1.4
SOD-123 [mil]
  rrect100% 37.7x26.08 smd paste+0 mask+0: 1(63.01,0)
  rect 37.7x26.08 smd paste+0 mask+0: 2(-63.01,0)
  silkscreen extent -111,-31 52,31, body extent -86,-34 86,34, height 10
SOD-323 [mil]
  rect 39.85x17.16 smd paste+0 mask+0: 1(-39.28,0)
  rrect100% 39.85x17.16 smd paste+0 mask+0: 2(39.29,0)
  silkscreen extent -34,-26 34,26, body extent -63,-30 63,30, height 10
SOIC-8 [mm] "SOIC, 8-Leads, Body 4.90x3.90mm, Pitch 1.27mm, Thermal Pad 3.00x2.13mm, IPC Medium Density"
  oval 1.45x0.45 smd: 1(-2.875,1.905) 2(-2.875,0.635) 3(-2.875,-0.635) 4(-2.875,-1.905) 5(2.875,-1.905) 6(2.875,-0.635) 7(2.875,0.635) 8(2.875,1.905)
  rect 2.13x3 smd: 9(0,0)
  silkscreen extent -3.33,-2.45 1.47,2.51, body extent -3,-2.5 3,2.5, height 1.7
SOIC-14 [mm] "SOIC, 14-Leads, Body 8.65x3.90mm, Pitch 1.27mm, IPC Medium Density"
  rect 1.45x0.6 smd: 1(-2.725,3.81) 2(-2.725,2.54) 3(-2.725,1.27) 4(-2.725,0) 5(-2.725,-1.27) 6(-2.725,-2.54) 7(-2.725,-3.81) 8(2.725,-3.81) 9(2.725,-2.54) 10(2.725,-1.27) 11(2.725,0) 12(2.725,1.27) 13(2.725,2.54) 14(2.725,3.81)
  silkscreen extent -3.32,-4.4 1.6,4.43, body extent -3,-4.4 3,4.4, height 1.75
SOP-8 [mm]
  rect 1.304x0.592 smd paste+0 mask+0: 1(-2.95,1.905)
  rrect100% 1.304x0.592 smd paste+0 mask+0: 2(-2.95,0.635) 3(-2.95,-0.635) 4(-2.95,-1.905) 5(2.95,-1.905) 6(2.95,-0.635) 7(2.95,0.635) 8(2.95,1.905)
  silkscreen extent -3.17,-2.5 1.8,2.67, body extent -3.85,-2.75 3.85,2.75, height 0.25
SOP-16 [mm] "SOP, 16-Leads, Body 10.30x4.40mm, Pitch 1.27mm, IPC Medium Density"
  oval 1.7x0.6 smd: 1(-3.2,4.445) 2(-3.2,3.175) 3(-3.2,1.905) 4(-3.2,0.635) 5(-3.2,-0.635) 6(-3.2,-1.905) 7(-3.2,-3.175) 8(-3.2,-4.445) 9(3.2,-4.445) 10(3.2,-3.175) 11(3.2,-1.905) 12(3.2,-0.635) 13(3.2,0.635) 14(3.2,1.905) 15(3.2,3.175) 16(3.2,4.445)
  silkscreen extent -3.33,-5.3 1.95,5.42, body extent -3.5,-5.3 3.5,5.3, height 2.1
SOT23-3 [mm] "SOT23, 3-Leads, Body 2.92x2.37mm, Pitch 0.95mm, IPC Medium Density"
  rect 1x0.8 smd: 1(-1.2,0.95) 2(-1.2,-0.95) 3(1.2,0)
  silkscreen extent -1.6,-1.5 0.7,1.65, body extent -1.32,-1.52 1.32,1.52, height 1.11